# Allegro board ultrasound_tnr_1000a_01_20171121.brd (continued)
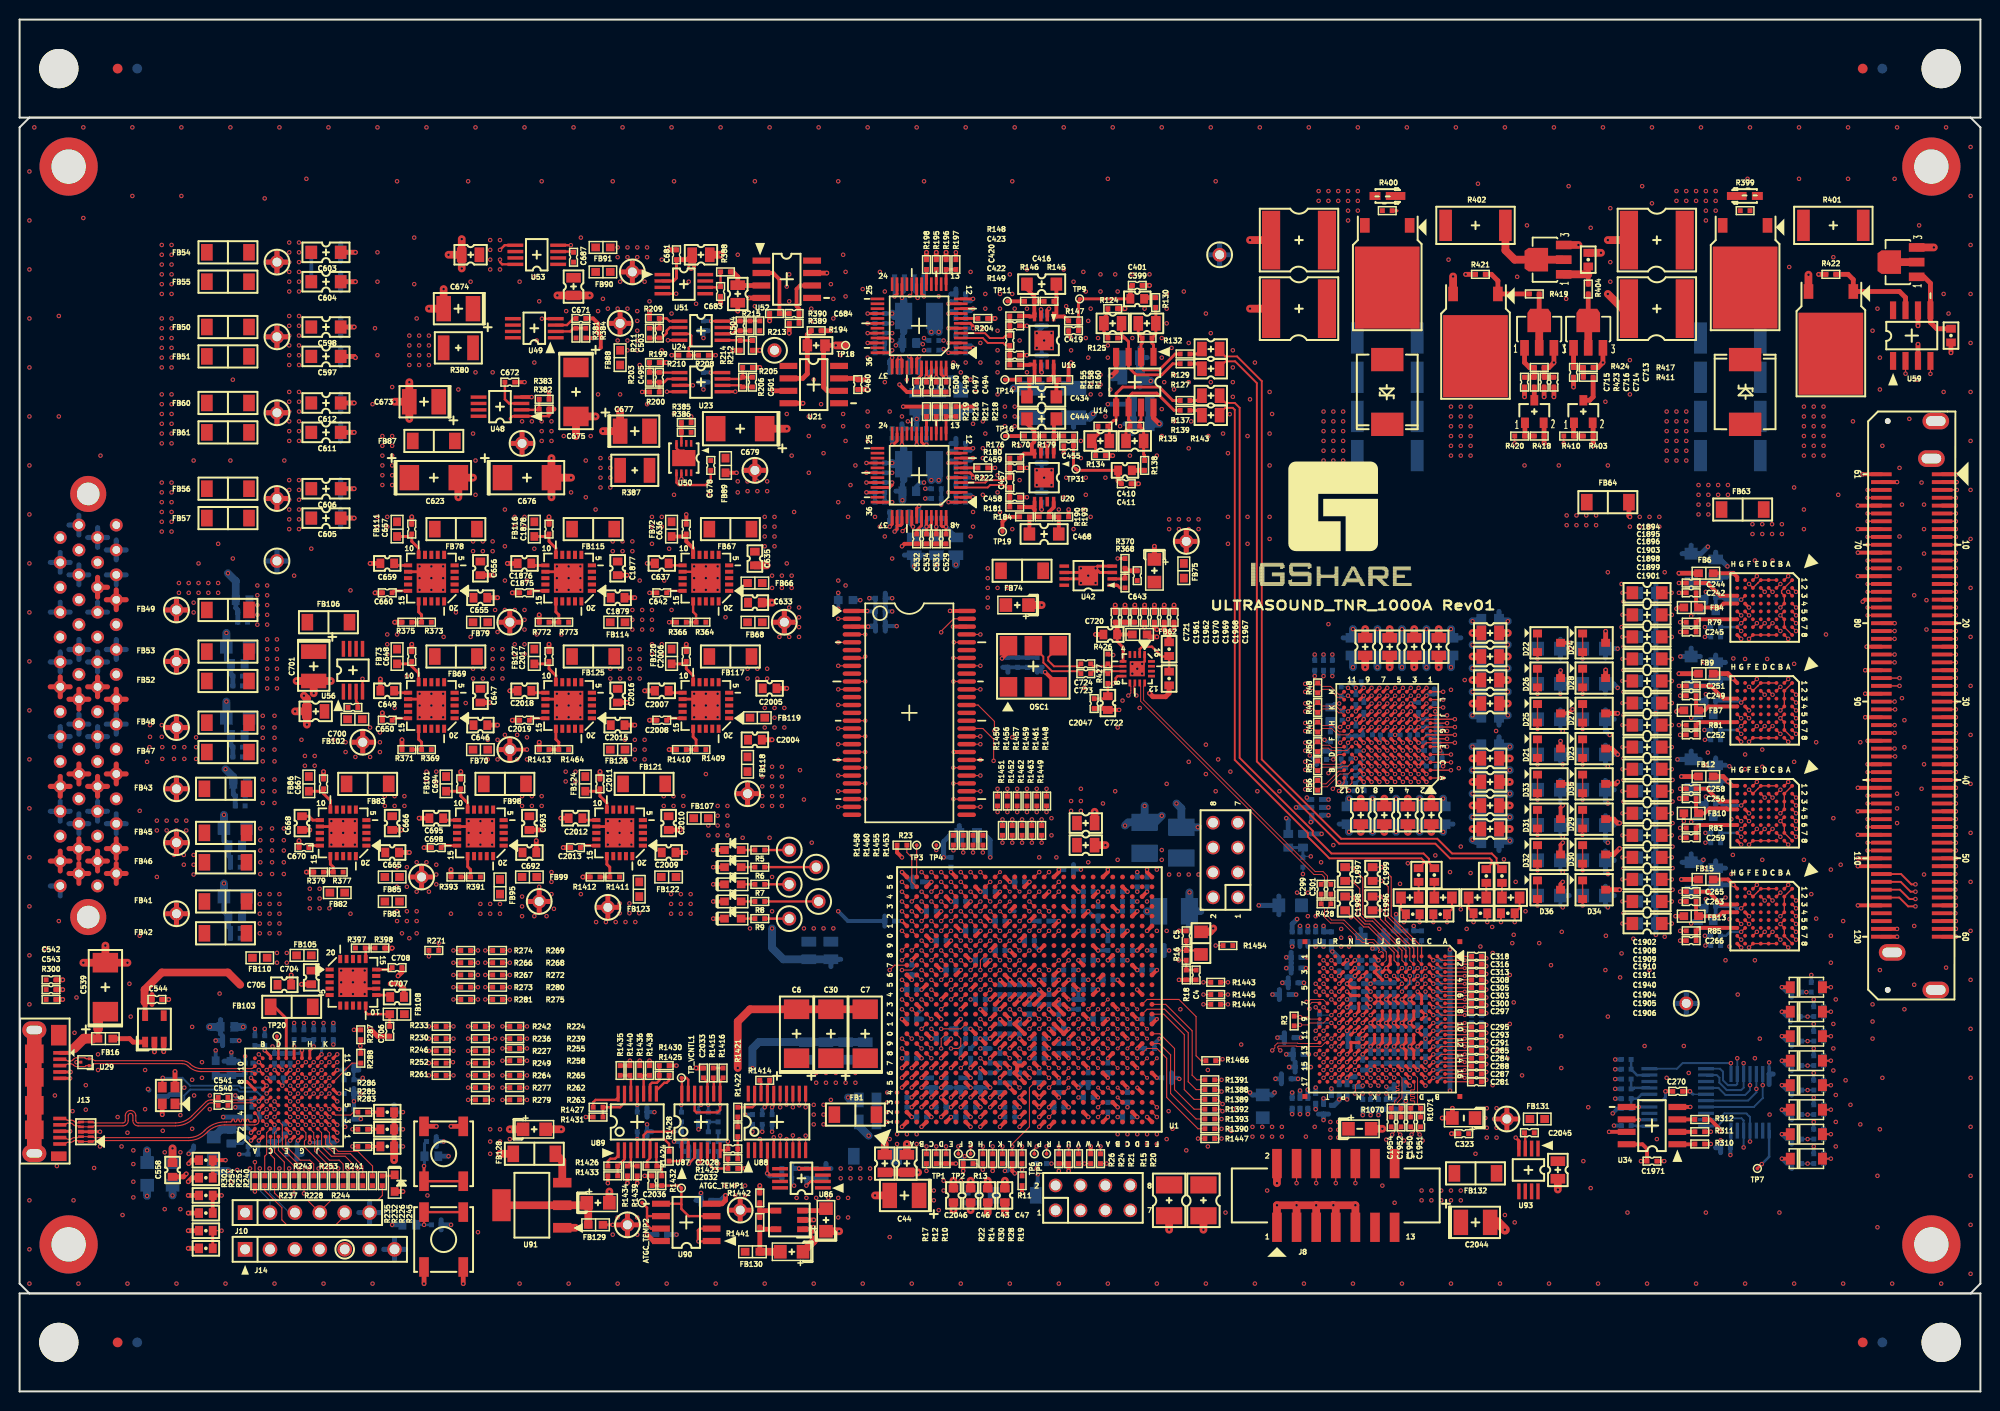
[diagram p0: board, top side]
## Routing (per net, layer and track width the routed paths; a pad name or vN(x,y) marks a point on that pad's centre or on a via; arc(x,y) is an arc through that point) (continued)
A12VN: length 12.4
  TOP w0.5: Q6.3 v1(161.5,105) 161,104.5 R417.1 ; C714.2 C716.2 R424.1 156,104.5 v1(156.5,105) Q10.3
  SIG1 w0.5: v1(156.5,105) v1(161.5,105)
A12VP: length 33.1
  TOP w0.5: v1(193.63,108.75) U59.6
  SIG1 w0.5: v1(174.25,91.5) 182.75,91.5 188.5,97.25 188.5,105.75 191.5,108.75 v1(193.63,108.75)
  vias: v1(24.8,62.45) v1(24.8,61.25) v1(24.8,60.05) v1(26,62.45) v1(26,61.25) v1(26,60.05) v1(37,97.5) v1(37,96.5) v1(37,95.5) v1(37,94.5) v1(37,93.5) v1(37,92.5) v1(38,97.5) v1(38,96.5) v1(38,95.5) v1(38,94.5) v1(38,93.5) v1(38,92.5) v1(171.25,92.5) v1(171.25,91.5) v1(171.25,90.5) v1(171.25,89.5) v1(172.25,92.5) v1(172.25,91.5) v1(172.25,90.5) v1(172.25,89.5) v1(173.25,92.5) v1(173.25,91.5) v1(174.25,92.5)
A12VP_HVMUX: length 4.1
  BOTTOM w0.4: v1(170.5,58.12) 171,58.62 FB11.2 171.5,58.62 ; FB5.2 171,79.62 v1(170.5,79.12) ; v1(170.5,47.75) 170.75,48 FB14.2 ; v1(170.5,68.75) 171,68.75 FB8.2
  vias: v1(176.75,88.5) v1(176.75,87.5) v1(177.75,88.5) v1(177.75,87.5) v1(178.75,88.5) v1(178.75,87.5) v1(179.75,88.5) v1(179.75,87.5)
A12VP_IN: length 40.9
  TOP w0.527: J12.20 10.87,63.02 ; J12.20 8.85,63.02 ; J12.20 9.86,64.03 ; J12.20 9.86,62 ; J12.17 5.15,61.74 ; J12.17 4.14,60.73 ; J12.17 3.13,61.74 ; J12.17 4.14,62.76 ; J12.18 7.95,62.76 ; J12.18 6.94,61.74 ; J12.18 7.95,60.73 ; J12.18 8.96,61.74 ; 14.94,61.5 TH5.1 ; TH5.1 17.06,61.5 ; TH5.1 16,60.44 ; TH5.1 16,62.56 ; J12.19 7.06,63.02 ; J12.19 6.05,62 ; J12.19 6.05,64.03 ; J12.19 5.04,63.02
  SIG1 w0.527: J12.20 9.86,64.03 ; J12.20 9.86,62 ; J12.20 8.85,63.02 ; J12.20 10.87,63.02 ; 6.94,61.74 J12.18 ; J12.18 7.95,60.73 ; J12.18 8.96,61.74 ; J12.18 7.95,62.76 ; J12.17 4.14,62.76 ; J12.17 5.15,61.74 ; J12.17 3.13,61.74 ; J12.17 4.14,60.73 ; 6.05,62 J12.19 ; J12.19 5.04,63.02 ; J12.19 6.05,64.03 ; J12.19 7.06,63.02 ; 14.94,61.5 TH5.1 ; TH5.1 16,60.44 ; TH5.1 16,62.56 ; TH5.1 17.06,61.5
D1V2P_AFE: length 36.5
  TOP w0.3: U11.N14 v1(135.4,33.6) ; U11.P2 v1(135.4,44) ; U11.M4 v1(137,42.4) U11.L3 ; U11.M12 U11.N12 U11.N13 v1(135.4,34.4) ; U11.M6 U11.N6 v1(135.4,40.8) ; U11.M14 v1(136.2,33.6) ; U11.N4 v1(135.4,41.6) U11.N5 U11.M5 ; U11.N15 v1(135.4,32.8) ; U11.P15 v1(134.6,32.8) ; U11.M13 v1(136.2,34.4) ; U11.P16 v1(134.6,32) ; U11.N2 v1(136.2,44) ; U11.P3 v1(134.6,42.4) ; U11.N3 v1(136.2,43.2) ; U11.N16 v1(135.4,32)
  TOP w0.515: TH26.1 41,53.56 ; TH26.1 42.06,52.5 ; TH26.1 39.94,52.5 ; TH26.1 41,51.44
  VCC1 w0.53: TH26.1 42.06,52.5 ; TH26.1 39.94,52.5 ; TH26.1 41,53.56 ; TH26.1 41,51.44
  BOTTOM w0.5: C371.1 C376.1 v1(133,47.5) ; C368.1 v1(131.4,30.8) ; C370.1 v1(134.6,32) ; C365.1 v1(130.6,47.5) ; C383.1 v1(136.2,43.2) ; C366.1 v1(136.2,44) ; C381.1 v1(134.6,42.4) ; C385.1 v1(135.4,32) 135.5,32.1 C373.1 ; C382.1 v1(137,42.4) ; C364.1 v1(135.4,41.6) ; C384.1 v1(133,29.9) ; C379.1 v1(132.2,31) ; C367.1 v1(131.4,47.5) ; C369.1 v1(129.8,30.5) ; C377.1 129.8,47.7 v1(130.3,48.2) ; C380.1 v1(135.4,44) ; C372.1 v1(133.8,30.9) ; C378.1 v1(130.6,30.7) ; C375.1 v1(132.2,47.5)
  vias: v1(38.5,53.5) v1(38.5,51.5) v1(39.5,53.5) v1(39.5,51.5) v1(40.5,54) v1(40.5,51) v1(41.5,54) v1(41.75,51) v1(42.5,53.75) v1(42.5,52.75) v1(42.5,51.75) v1(130.3,50.9) v1(131.4,50.9) v1(131.4,48.5) v1(132.2,48.5)
D1V2P_FPGA_MGT:
  vias: v1(38.5,49) v1(38.5,48) v1(39.5,49) v1(39.5,48) v1(40.5,49) v1(40.5,48) v1(83.75,22.75) v1(83.75,21.75) v1(84.75,22.75) v1(84.75,21.75) v1(85.75,22.75) v1(85.75,21.75) v1(86.75,22.75) v1(86.75,21.75)
D1V2P_USB: length 19.2
  TOP w0.25: U26.B10 v1(24.4,33.6)
  TOP w0.3: v1(32.6,28.8) 32.4,28.8 U26.L5 ; U26.E9 v1(27.6,32.8) ; U26.L7 32.4,30.4 v1(32.6,30.4) ; U26.H1 v1(29.6,25.4) ; U26.F11 v1(28,35.2) ; U26.C3 v1(26,27.2) ; U26.J11 v1(30.8,34.4)
  BOTTOM w0.25: C563.2 24.3,33.5 v1(24.4,33.6)
  BOTTOM w0.3: v1(29.6,25.4) C551.2 ; v1(30.8,34.4) 30.8,35 31,35.2 C547.2 ; v1(27.6,32.8) C545.2 ; v1(26,27.2) C553.2 ; v1(32.6,30.4) C548.2 ; v1(32.6,28.8) C552.2 ; v1(28,35.2) C554.2
  BOTTOM w0.4: FB84.1 v1(20,34.8)
  BOTTOM w0.5: C549.2 v1(22.4,35.8) ; C550.2 33.1,27.1 v1(33.2,27) ; C546.2 v1(32,35.4)
  BOTTOM w0.8: v1(21.25,22.5) 20.25,22.5 19.8,22.95 FB17.2 ; FB18.2 v1(15.6,20) ; C564.2 v1(22.8,37.2)
  vias: v1(14.8,18.6) v1(16.4,18.6) v1(21.6,21.4) v1(22.2,22.6) v1(29.6,51.3) v1(29.6,50.3) v1(29.6,49.3) v1(30.6,51.3) v1(30.6,50.3) v1(30.6,49.3) v1(31.6,49.3)
D1V8P_AFE: length 18
  TOP w0.3: U11.P5 v1(134.6,40.8) ; U11.P7 v1(134.6,39.2) ; U11.P11 v1(134.6,36) ; U11.P4 v1(134.6,41.6) ; U11.P14 v1(134.6,33.6) ; U11.P12 v1(134.6,35.2) ; U11.P6 v1(134.6,40) ; U11.P13 v1(134.6,34.4)
  TOP w0.515: TH42.1 74.25,62.06 ; TH42.1 73.19,61 ; TH42.1 74.25,59.94 ; TH42.1 75.31,61
  VCC2 w0.53: 74.25,59.94 TH42.1 ; TH42.1 75.31,61 ; TH42.1 73.19,61 ; TH42.1 74.25,62.06
  BOTTOM w0.5: C386.1 v1(131.3,44.3) ; C389.1 v1(130.2,40.5) ; C390.1 v1(130.4,31.9) ; C387.1 v1(131.2,43.2) ; C388.1 v1(131,41.7) ; C391.1 v1(131.5,34.4) ; C392.1 v1(130.7,36.1) ; C393.1 v1(131.7,33.1)
  vias: v1(75.75,63.75) v1(75.75,62.75) v1(75.75,61.75) v1(75.75,60.75) v1(75.75,59.75) v1(76.75,63.75) v1(76.75,62.75) v1(76.75,61.75) v1(76.75,60.75) v1(76.75,59.75) v1(77.75,63.75) v1(77.75,62.75) v1(77.75,61.75) v1(77.75,60.75) v1(77.75,59.75) v1(125.75,27) v1(125.75,26) v1(126.75,27) v1(126.75,26) v1(127.75,27) v1(127.75,26) v1(128.75,27) v1(128.75,26) v1(132.1,27)
D1V8P_FPGA: length 23.2
  TOP w0.4: U1.W7 v2(109,33) ; U1.Y4 v2(110,30) ; U1.AD12 v2(114,38) ; U1.AA11 v2(111,38) ; U1.AD2 v1(114,28) ; U1.AF6 v2(116,32) ; U1.V10 v2(107,36) ; U1.U3 v1(107,29) ; U1.AC5 v2(113,31) ; U1.AB8 v2(111,34) ; U1.AE9 v2(114,35) ; U1.AA1 v1(111,28)
  TOP w0.515: TH43.1 61.06,49.4 ; TH43.1 60,50.46 ; TH43.1 58.94,49.4 ; TH43.1 60,48.34
  VCC2 w0.53: TH43.1 61.06,49.4 ; TH43.1 58.94,49.4 ; TH43.1 60,48.34 ; TH43.1 60,50.46
  BOTTOM w0.4: C56.1 v2(116,32) ; C59.1 v1(114,28) ; C52.1 v2(111,38) ; C57.1 v1(107,29) ; v2(109,33) C50.1 ; v2(114,35) C55.1 ; C53.1 v2(110,30) ; C54.1 v1(111,28) ; v2(114,38) C48.1 ; v2(111,34) C49.1 ; C51.1 v2(113,31) ; v2(107,36) C58.1
  vias: v1(58.8,47.9) v1(59.8,47.9) v1(60.8,47.9) v1(61.2,49.8) v1(61.2,48.8) v1(61.8,47.9) v1(62.2,49.8) v1(62.2,48.8) v1(62.8,47.9) v1(63.2,48.8) v1(112,26.25) v1(112,25.25) v1(113,26.25) v1(113,25.25) v1(114,26.25) v1(114,25.25) v1(115,26.25) v1(115,25.25) v1(116,26.25) v1(116,25.25) v1(117,25.75)
D1V8P_PLS: length 15.9
  TOP w0.3: U3.C10 v1(137.1,63.8) ; U3.K10 v1(136.3,69.4) ; U3.B10 v1(137.1,63) ; U3.M10 v1(137.1,71.8) ; U3.D10 v1(137.1,64.6) ; U3.J10 v1(136.3,68.6) ; U3.A10 v1(137.1,62.2) ; U3.L10 v1(137.1,71)
  BOTTOM w0.3: R61.2 137.05,65.35 v1(137.1,65.4) ; v1(137.1,63) 137.1,62.9 C237.1 ; C239.1 v1(136.3,68.6) ; C231.1 136.85,72.05 v1(137.1,71.8) ; v1(137.1,62.2) 137.15,62.15 C211.1 ; C212.1 137.1,64.5 v1(137.1,64.6) ; C213.1 v1(136.3,69.4) ; v1(137.1,63.8) 137.1,63.65 136.3,62.85 C210.1 ; C238.1 v1(137.1,71) ; v1(134.6,70.2) 134.1,70.2 R58.2
  BOTTOM w0.5: R53.2 v1(132.8,56.9)
  vias: v1(76,69.75) v1(76,67.75) v1(77,69.75) v1(77,68.75) v1(77,67.75) v1(78,69.75) v1(78,68.75) v1(78,67.75)
D1V8P_VCCAUX: length 14.6
  TOP w0.4: U1.T8 v2(106,34) ; v1(100,38) U1.L11 ; U1.M10 v1(101,36) ; U1.P10 v1(103,36) ; U1.P8 v1(103,34) ; U1.R9 v1(105,35) ; U1.U11 v2(106,38) ; U1.T10 v1(105,37)
  TOP w0.8: C46.1 v1(97,21.5) ; C2046.1 v1(95.25,21.5) ; C43.1 v1(98.75,21.5) ; C47.1 v1(100.5,21.5)
  BOTTOM w0.4: C39.1 v1(100,38) ; C38.1 v1(103,36) ; v1(105,37) C42.1 ; R31.2 96.4,20.25 96,20.65 v1(96,21.5) ; v2(106,38) C35.1 ; v1(103,34) C37.1 ; C36.1 v2(106,34) ; v1(105,35) C41.1 ; v1(101,36) C40.1
  vias: v1(66.45,50.75) v1(66.45,49.75) v1(66.45,48.75) v1(67.45,50.75) v1(67.45,49.75) v1(67.45,48.75) v1(68.45,50.75) v1(68.45,49.75) v1(68.45,48.75) v1(93.25,20.5) v1(93.25,19.5) v1(93.75,18.5) v1(94.25,21.5) v1(94.25,20.5)
D1VP_FPGA_MGT:
  vias: v1(47,49.75) v1(47,48.75) v1(48,49.75) v1(48,48.75) v1(49,49.75) v1(49,48.75) v1(81,29.25) v1(81,28.25) v1(81,27.25) v1(82,29.25) v1(82,28.25) v1(82,27.25) v1(82.75,29.75)
D1VP_VCCINT: length 33.8
  TOP w0.4: U1.K8 v1(99,34) ; U1.P14 v1(103,40) U1.N13 ; U1.M14 v1(101,40) ; U1.T14 v1(106,41) ; U1.L13 v1(100,39) ; v1(104,39) U1.R13 ; U1.K14 v1(99,40) ; U1.N15 v1(102,42) ; U1.K12 v1(99,38) ; U1.T12 v1(105,39) ; U1.K10 v1(99,36) ; v1(102,34) U1.M8 ; v1(104,42) U1.R15 ; U1.J9 v1(98,36) ; v1(107,42) U1.U15 ; U1.L15 v1(100,42) ; U1.L9 v1(100,35) ; U1.U13 v2(107,39) ; U1.N9 v1(102,36)
  TOP w0.515: TH39.1 54.06,50 ; TH39.1 51.94,50 ; TH39.1 53,51.06 ; TH39.1 53,48.94
  VCC2 w0.53: TH39.1 53,51.06 ; TH39.1 53,48.94 ; TH39.1 54.06,50 ; TH39.1 51.94,50
  BOTTOM w0.4: v1(101,40) C18.1 ; v1(100,39) C15.1 ; C27.1 v1(102,34) ; v1(105,39) C28.1 ; v2(107,39) C32.1 ; C11.1 v1(100,35) ; C8.1 v1(99,36) ; C21.1 v1(102,36) ; C26.1 v1(104,42) ; v1(99,40) C17.1 ; C20.1 v1(106,41) ; C13.1 v1(103,40) C9.1 ; C12.1 97.5,35.5 C19.1 v1(98,36) ; v1(99,34) C14.1 ; C10.1 v1(107,42) ; v1(102,42) C33.1 ; v1(100,42) C16.1 ; C22.1 v1(104,39)
  vias: v1(51.25,50.5) v1(51.25,49.5) v1(51.25,48.5) v1(52.5,48.5) v1(53,51.5) v1(53.75,48.5) v1(54.25,53) v1(54.25,52) v1(54.25,50.75) v1(54.5,49.25) v1(81.25,32.5) v1(81.25,31.5) v1(82.25,32.5) v1(82.25,31.5) v1(83.25,32.5) v1(83.25,31.5) v1(84.25,32.5) v1(84.25,31.5) v1(85.25,32.5) v1(85.25,31.5)
D2V5P_CLK: length 10.7
  TOP w0.4: v1(100.2,74.8) 100.86,75.46 OSC1.6
  TOP w0.5: C1967.1 v1(117.75,77.75) ; C1969.1 115.75,78 v1(116,77.75) ; R1467.2 117.25,77.25 v1(116.75,77.75) C1968.1 ; C1970.1 v1(114.75,78) ; v1(116,77) 115.25,77 FB62.1
  BOTTOM w0.4: C1965.1 C1966.1 C1964.1 C1963.1 100.3,74.9 v1(100.2,74.8)
  vias: v1(61.75,66.5) v1(61.75,64.5) v1(62.75,66.5) v1(62.75,65.5) v1(62.75,64.5) v1(63.75,66.5) v1(63.75,65.5) v1(63.75,64.5)
D2V5P_FPGA: length 40.9
  TOP w0.4: v1(116,43) U1.AF16 ; v1(103,48) U1.P22 ; v1(107,49) U1.U23 ; U1.Y14 v1(110,41) ; U1.AB18 v1(111,44) ; v1(103,52) U1.N25 ; U1.V20 v1(108,47) ; U1.AA21 v1(111,47) ; U1.AF26 115,53 v1(115,53.25) ; U1.T16 v1(106,43) ; U1.T26 106,53 v1(106,53.25) ; v1(110,51) U1.Y24 ; U1.AE19 v1(114,45) ; v1(108,44) U1.W17 ; v1(114,49) U1.AD22 ; U1.R19 v1(104,45) ; TH18.1 v1(51.75,65.5) ; U1.K24 v2(100,51) ; v1(112,42) U1.AC15 ; v1(113,51) U1.AC25
  TOP w0.515: 50,64.44 TH18.1 ; TH18.1 48.94,65.5 ; TH18.1 50,66.56
  TOP w0.8: v1(121.75,47.25) 121.41,46.91 FB133.2
  VCC1 w0.53: TH18.1 50,66.56 ; TH18.1 48.94,65.5 ; TH18.1 51.06,65.5 ; TH18.1 50,64.44
  BOTTOM w0.4: C82.1 v1(103,48) ; v1(104,45) 103.5,45.5 C88.1 ; C103.1 v1(116,43) ; C94.1 v1(114,50) ; v1(114,45) C104.1 ; C93.1 v1(111,47) C90.1 ; C80.1 v1(113,51) ; C101.1 v1(115,45) ; C86.1 v1(108,44) ; v1(115,53.25) C84.1 ; v1(108,47) C89.1 ; C87.1 v1(110,51) ; C96.1 v1(106,53.25) ; v1(111,44) C99.1 ; C81.1 v1(103,52) ; C95.1 C85.1 v1(107,49) ; C100.1 v1(112,42) ; C98.1 v1(110,50) ; v1(110,41) C102.1 ; C97.1 v1(114,51) ; C91.1 v1(106,43) ; C79.1 v2(100,51) ; C83.1 v1(114,49)
  BOTTOM w0.8: C106.1 v1(115,49)
  vias: v1(47.75,66.5) v1(47.75,64.5) v1(48.75,66.5) v1(48.75,64.5) v1(49.5,67) v1(50.75,67) v1(50.75,64.5) v1(51.75,66.75) v1(51.75,64.5) v1(115,50) v1(116,53.25) v1(116,47) v1(116.5,55.25) v1(116.5,54.25) v1(117,47) v1(117.25,52.75) v1(118.25,52.75) v1(119.25,52.75) v1(120.25,52.75)
D2VP:
  vias: v1(24.55,57.45) v1(24.55,56.25) v1(24.55,55.2) v1(24.55,54) v1(24.55,52.8) v1(25.75,57.45) v1(25.75,56.25) v1(25.75,55.2) v1(25.75,54) v1(25.75,52.8) v1(26.95,57.45) v1(26.95,56.25) v1(26.95,55.2) v1(26.95,54) v1(26.95,52.8) v1(37.25,60.75) v1(37.25,59.75) v1(38.25,60.75) v1(38.25,59.75) v1(39.25,60.75) v1(39.25,59.75) v1(51.25,60.75) v1(51.25,59.75) v1(52.25,60.75) v1(52.25,59.75) v1(53.25,60.75) v1(53.25,59.75)
D2VP_IN: length 24.7
  TOP w0.515: 16,54.94 TH10.1 ; TH10.1 14.94,56 ; TH10.1 16,57.06 ; TH10.1 17.06,56
  BOTTOM w0.515: 14.94,56 TH10.1 ; TH10.1 16,57.06 ; TH10.1 16,54.94 ; TH10.1 17.06,56 ; 6.05,56.92 J12.11 ; J12.11 5.04,57.94 ; J12.11 7.06,57.94 ; J12.11 6.05,58.95 ; J12.14 8.96,59.2 ; J12.14 6.94,59.2 ; J12.14 7.95,60.22 ; J12.14 7.95,58.19 ; 3.13,59.2 J12.13 ; J12.13 4.14,60.22 ; J12.13 4.14,58.19 ; J12.13 5.15,59.2 ; J12.12 10.87,57.94 ; J12.12 8.85,57.94 ; J12.12 9.86,58.95 ; J12.12 9.86,56.92
  vias: v1(14,58.25) v1(14,57.25) v1(15,58.25) v1(15,57.25) v1(15.75,54.75) v1(16,58.25) v1(16,57.25) v1(16.75,54.75) v1(16.75,53.75) v1(17,58.25) v1(17,57.25) v1(17.75,54.75) v1(17.75,53.75) v1(17.75,52.75)
D3V3P: length 113.1
  TOP w0.4: v1(165.38,23.5) C1971.1 166,24.75 165.53,25.22 U34.8 ; C270.1 v1(167.88,30.62)
  TOP w0.5: Q9.2 155.5,98.81 R418.1 v1(155.5,96.75) ; Q5.2 160.5,98.81 R403.1 v1(160.5,96.5)
  SIG3 w0.8: v1(84.25,82.25) 95.45,82.25 99.2,86 109.2,86 114.4,91.2 149,91.2 150.6,92.8 150.6,97.2 151.67,98.27 156.07,98.27 ; 156.07,98.27 159.83,98.27 160.5,97.6 v1(160.5,96.5) ; 156.07,98.27 155.5,97.7 v1(155.5,96.75)
  BOTTOM w0.3: U8.5 167.55,29.68 167.88,30 v1(167.88,30.62) ; U9.14 174.55,25.46 174.5,25.41 C271.1
  BOTTOM w0.4: R93.1 v1(162.62,27.12) ; R97.2 v1(183,37.5) ; v1(83.5,81.5) FB109.1 v1(83.5,79.88) ; R111.2 v1(183,32.5) ; R89.2 v1(162.75,33.88) ; R113.2 v1(183,27.5) ; R98.2 v1(183,35) ; C271.1 v1(174.5,24.12) ; R88.2 v1(162.75,31.88) ; R96.2 v1(183,40) ; R114.2 v1(183,25) ; R87.2 v1(162.75,29.88) ; R95.2 v1(182.75,42.5) ; R112.2 v1(183,30)
  vias: v1(24.5,50.75) v1(24.5,49.75) v1(24.5,48.75) v1(24.5,47.75) v1(24.5,46.75) v1(25.5,50.75) v1(25.5,49.75) v1(25.5,48.75) v1(25.5,47.75) v1(25.5,46.75) v1(26.5,50.75) v1(26.5,49.75) v1(26.5,48.75) v1(26.5,47.75) v1(26.5,46.75) v1(46.25,73.75) v1(46.25,72.75) v1(47.25,73.75) v1(47.25,72.75) v1(48.25,75.75) v1(48.25,74.75) v1(48.25,73.75) v1(48.25,72.75) v1(49.25,75.75) v1(49.25,74.75) v1(49.25,73.75) v1(49.25,72.75) v1(60.25,73.75) v1(60.25,72.75) v1(61.25,73.75) v1(61.25,72.75) v1(62.25,75.75) v1(62.25,74.75) v1(62.25,73.75) v1(62.25,72.75) v1(63.25,75.75) v1(63.25,74.75) v1(63.25,73.75) v1(63.25,72.75) v1(65.7,60.75) v1(65.7,59.75) v1(66.7,60.75) v1(66.7,59.75) v1(67.7,60.75) v1(67.7,59.75) v1(74.25,73.75) v1(74.25,72.75) v1(75.25,73.75) v1(75.25,72.75) v1(76.25,73.75) v1(76.25,72.75) v1(83.5,82.75)
D3V3P_FPGA: length 62.7
  TOP w0.3: U1.A21 v1(90,48)
  TOP w0.4: v1(95.5,23.25) R10.2 R12.2 ; v1(97,50) U1.G23 ; U1.H10 v1(97,37) ; U1.T6 v2(106,32) ; v1(93,52) U1.C25 ; R11.2 v1(102.25,20.25) ; v1(98,47) U1.H20 ; R14.2 v1(99.25,22.5) ; U1.C15 v1(92,41) ; v1(90,38) U1.A11 ; v1(96.25,22.5) R13.2 ; U1.J17 v1(99,44) ; v1(95,36) U1.E9 ; U1.P7 v1(104,33) ; U1.F26 v1(95,53) ; R23.2 89.5,55 v1(90,54.5) ; R26.1 R24.1 v1(107,22.5) ; U1.F16 v1(96,43) ; U1.G13 v1(96,39) ; v1(101,45) U1.M18 ; R15.2 v1(109.25,25) ; U1.L7 v1(101,33) ; R28.1 101.25,22.5 v1(101.5,22.25) ; v1(92,34) U1.B8 ; v1(94,49) U1.D22 ; U1.B18 v1(91,44) ; v2(101,48) U1.L21 ; U1.E19 v1(95,46) ; U1.D12 v1(94,38)
  TOP w0.8: J8.2 v1(128.25,21.25)
  SIG1 w0.5: v1(107,22.5) 127,22.5 v1(128.25,21.25)
  BOTTOM w0.4: C70.1 v1(98,47) ; v1(97,37) C112.1 ; v1(96,43) C75.1 ; v1(91,44) C64.1 ; v1(95,46) C65.1 ; v1(93,52) C69.1 ; C111.1 v1(95,36) ; v1(92,41) C108.1 ; C67.1 v1(97,50) ; 101,32.4 C71.1 v1(101,33) ; v1(104,33) C74.1 ; C62.1 v2(101,48) ; C68.1 v1(95,53) ; C66.1 v1(94,49) ; v2(106,32) C72.1 ; C110.1 v1(90,38) ; C63.1 v1(101,45) ; C109.1 v1(90,48) ; C107.1 v1(92,34) ; v1(99,44) C73.1
  BOTTOM w0.5: v1(99,54.5) 99,56.25 98.5,56.75 C76.1
  vias: v1(70.25,57.75) v1(70.25,56.75) v1(71.2,59.75) v1(71.2,58.75) v1(71.2,57.75) v1(71.2,56.75) v1(72.2,59.75) v1(72.2,58.75) v1(72.2,57.75) v1(72.2,56.75) v1(80,47.25) v1(81,47.25) v1(82,47.25) v1(83,47.25) v1(107.25,60.25) v1(107.25,59.25) v1(108.25,60.25) v1(108.25,59.25)
D3V3P_IN: length 57
  TOP w0.515: 7.95,53.11 J12.6 ; J12.6 6.94,54.12 ; J12.6 7.95,55.14 ; J12.6 8.96,54.12 ; 16,47.69 TH9.1 ; TH9.1 16,49.81 ; TH9.1 14.94,48.75 ; TH9.1 17.06,48.75 ; J12.4 10.87,52.85 ; J12.4 9.86,53.87 ; J12.4 8.85,52.85 ; J12.4 9.86,51.84 ; 8.85,55.4 9.86,55.4 ; 9.86,55.4 9.86,56.41 ; 9.86,55.4 10.87,55.4 ; 9.86,55.4 9.86,54.38 ; 5.04,52.85 J12.3 ; J12.3 7.06,52.85 ; J12.3 6.05,51.84 ; J12.3 6.05,53.87 ; J12.5 4.14,55.14 ; J12.5 5.15,54.12 ; J12.5 3.13,54.12 ; J12.5 4.14,53.11 ; 6.05,54.38 6.05,55.4 ; 6.05,55.4 5.04,55.4 ; 6.05,55.4 6.05,56.41 ; 6.05,55.4 7.06,55.4
  SIG1 w0.53: J12.6 8.96,54.12 ; J12.6 7.95,53.11 ; J12.6 7.95,55.14 ; J12.6 6.94,54.12 ; 8.85,55.4 9.86,55.4 ; 9.86,55.4 10.87,55.4 ; 9.86,55.4 9.86,56.41 ; 9.86,55.4 9.86,54.38 ; J12.3 7.06,52.85 ; J12.3 5.04,52.85 ; J12.3 6.05,53.87 ; J12.3 6.05,51.84 ; 3.13,54.12 J12.5 ; J12.5 4.14,55.14 ; J12.5 5.15,54.12 ; J12.5 4.14,53.11 ; 5.04,55.4 6.05,55.4 ; 6.05,55.4 7.06,55.4 ; 6.05,55.4 6.05,54.38 ; 6.05,55.4 6.05,56.41 ; 8.85,52.85 J12.4 ; J12.4 9.86,53.87 ; J12.4 9.86,51.84 ; J12.4 10.87,52.85 ; 16,47.69 TH9.1 ; TH9.1 17.06,48.75 ; TH9.1 14.94,48.75 ; TH9.1 16,49.81
D3V3P_SDRAM: length 10.1
  TOP w0.4: v1(86.45,79.65) U31.1 ; U31.3 v1(86.55,78.05)
  BOTTOM w0.4: v1(86.45,79.65) 86.5,79.6 C719.2 ; C719.2 C717.2 v1(86.67,80.95) ; C719.2 C718.2 87.25,78.05 v1(86.55,78.05) ; FB109.2 v1(85.75,80.75)
  BOTTOM w0.515: 87.3,77.59 C718.2 86.8,78.1
D3V3P_USB: length 36.6
  TOP w0.3: U26.H11 29.6,34.8 v1(30,35.2) ; v1(25,34.8) 25.6,34.2 U26.C11 ; U26.E3 v1(27.6,27.2) ; U26.L9 v1(32.4,32.8) ; U26.F1 v1(27.6,25.6) ; U26.B1 v1(24.4,25.6)
  TOP w0.4: R287.1 v1(34.1,36.9)
  TOP w0.5: D20.1 v1(39.1,20.4) ; v1(17.25,23.25) 17.6,23.6 R294.2 ; R289.1 R282.1 R276.1 ; R293.2 v1(17.2,18.2) ; R295.2 v1(17.2,14.6)
  TOP w0.8: R276.1 v1(38.2,23.6)
  VCC1 w0.53: 21.9,14.5 J14.1 ; J14.1 24.1,14.5 ; J14.1 23,15.6 ; J14.1 23,13.4 ; J10.1 24.1,18.25 ; J10.1 21.9,18.25 ; J10.1 23,19.35 ; J10.1 23,17.15
  BOTTOM w0.3: v1(25,34.8) C572.2 C571.2 ; v1(27.6,27.2) 27.5,27.3 C573.2 ; v1(25.8,35.2) 26,35 R291.2 R292.2 ; v1(27.6,25.6) 27.3,25.3 C568.2 C567.2 ; v1(24.4,25.6) 24.4,25.1 C565.2 ; v1(32.4,32.8) C574.2 C575.2 ; C569.2 C570.2 v1(30,35.2)
  BOTTOM w0.4: C566.2 C565.2
  BOTTOM w0.5: R270.2 v1(43.75,24) ; R425.1 v1(38,17)
  BOTTOM w0.8: FB19.2 v1(13,19.95)
  vias: v1(11.6,21.4) v1(11.6,19.8) v1(26.25,44.75) v1(26.25,43.75) v1(27.25,44.75) v1(27.25,43.75)
GND: length 2253.6
  TOP w0.2: U29.3 v1(5.8,33.6)
  TOP w0.25: U88.3 75.62,25.62 v1(75.5,25.75) ; U51.4 v1(66.97,112.03) ; v1(68.25,23.25) 68.85,23.85 U87.3 ; U26.B7 v1(25.2,31.2) U26.B8 ; U53.4 v1(56.23,116.97) ; U56.4 v1(34.98,72.72) ; U26.A8 v1(23.6,32) ; U50.6 v1(67.5,93.12) ; v1(70,83) 69.35,83.65 U40.12 ; U60.1 114.75,74.5 v1(114.5,74.25) v1(114,73.75) ; U24.4 v1(66.12,107.28) ; U49.4 v1(53.27,109.47) ; U23.4 v1(66.03,102.03) ; U88.5 v1(76.92,25.93) ; U26.D8 v1(26.8,31.2) ; U26.B9 v1(24.4,32.8)
  TOP w0.3: U3.G9 v1(137.9,67.8) ; U11.M3 v1(136.2,42.4) ; J13.5 v1(5.15,31.95) ; U11.E15 v1(142.6,32.8) ; U11.P8 v1(134.6,38.4) ; U5.H8 v1(175.6,66.3) ; U11.G10 v1(140.2,37.6) U11.G9 U11.G8 ; U3.F10 v1(137.1,66.2) ; U84.12 60.55,57.65 v1(61.2,57) ; U42.6 108.67,83.58 v1(109,83.25) ; U79.12 55.35,83.65 v1(56,83) ; U3.C4 v1(141.9,63.8) ; U11.M9 v1(136.2,37.6) ; U3.E10 v1(136.3,66.2) ; U11.M7 U11.M8 v1(136.2,38.4) ; U3.M7 v1(139.5,71.8) ; U11.L9 v1(137,37.6) ; U4.H8 v1(175.6,76.8) ; U3.C5 v1(141.1,63.8) ; U11.K10 v1(137.8,37.6) U11.K9 ; U11.P10 v1(134.6,36.8) ; U25.9 v1(94.75,94.75) ; v1(34,41.75) 34.65,41.1 U58.12 ; U26.L6 v1(32.4,29.6) ; U25.22 v1(90,96.62) ; U3.K5 v1(141.1,70.2) ; U55.12 46.35,57.65 v1(47,57) ; v1(33,57) 32.35,57.65 U47.12 ; U11.K2 v1(138.6,43.2) U11.K3 U11.J4 ; U42.7 108.67,82.92 v1(109,83.25) ; U26.G1 v1(28.4,25.6) ; U26.K3 v1(31.6,27.2) ; U3.K6 v1(140.3,70.2) ; U22.41 91,105.38 v1(90.75,105.62) ; R370.1 v1(112,85) ; U11.H10 v1(139.4,37.6) U11.H9 U11.H8 ; U22.9 v1(94.75,110) ; U7.G4 v1(176.4,48.5) ; U3.G10 v1(137.1,67.8) ; U11.D15 v1(143.4,32.8) ; U25.6 v1(94.75,93.25) ; U45.12 41.35,83.65 v1(42,83) ; 89.5,88.38 89.88,88.38 90,88.5 U25.39 ; 89.5,88.38 U25.38 ; 89.5,88.38 89.5,88 v1(89.25,87.75) ; v1(56,70) 55.35,70.65 U78.12 ; U26.K4 v1(31.6,28) ; U11.F15 v1(141.8,32.8) ; U3.K2 v1(143.5,70.2) ; U11.H3 v1(139.4,43.2) ; v1(139.4,43.2) U11.H2 U11.H1 ; v1(139.4,43.2) U11.J3 ; U3.L7 v1(139.5,71) ; U11.M10 v1(136.2,36.8) U11.N11 ; U25.3 v1(94.75,91.75) ; U22.1 v1(94.75,106) ; U11.P9 v1(134.6,37.6) ; U11.D16 v1(143.4,32) ; U22.36 88.75,106 v1(89,106.25) ; U22.22 v1(90,111.6) ; U22.11 v1(94.75,111) ; v1(152.6,25.9) 152.93,25.57 U93.4 ; U11.D17 v1(143.4,31.2) ; U22.38 89.5,105.25 v1(89.75,105.5) 90,105.25 U22.39 ; U7.H8 v1(175.6,45.3) ; U26.A1 v1(23.6,25.6) ; U26.G11 v1(28.8,34.8) ; U11.K8 v1(137.8,38.4) ; U3.M2 v1(143.5,71.8) ; U11.J10 v1(138.6,37.6) U11.J9 U11.J8 ; U11.N9 v1(135.4,37.6) ; v1(8.2,26.5) U27.3 U27.8 ; U3.K3 v1(141.9,70.2) U3.K4 ; U22.19 91.5,111.7 v1(91.6,111.6) ; U43.12 41.35,70.65 v1(42,70) ; U25.33 88.75,92.25 89,92.5 v1(89,92.75) ; U25.41 91,88.38 v1(91.12,88.25) ; U26.E2 v1(27.6,26.4) ; U6.G4 v1(176.4,59) ; U26.L11 v1(32.4,34.4) ; U3.B7 v1(139.5,63) ; v1(109.75,84) v1(109,83.25) ; v1(109.75,84) 109.97,84.22 U42.4 ; v1(109.75,84) 110.17,83.58 U42.3 ; U11.N10 v1(135.4,36.8) ; U26.L1 v1(32.4,25.6) ; U11.F10 v1(141,37.6) U11.F9 U11.F8 ; U25.36 v1(89,90.75) ; U22.6 v1(94.75,108.5) ; U4.G4 v1(176.4,80) ; U3.K7 v1(139.5,70.2) ; U3.F9 v1(137.9,66.2) ; U25.19 v1(91.5,96.62) ; U11.N8 v1(135.4,38.4) ; U22.3 v1(94.75,107) ; U11.M11 v1(137,36.8) U11.L10 ; U11.F17 v1(141.8,31.2) ; U3.C7 v1(139.5,63.8) ; U6.H8 v1(175.6,55.8) ; J13.4 v1(5.2,32.6) ; U3.L2 v1(143.5,71) ; U11.N7 v1(135.4,39.2) ; U3.A7 v1(139.5,62.2) ; U3.A2 v1(143.5,62.2) ; U11.E8 U11.E9 v1(141.8,37.6) U11.E10 ; U25.1 v1(94.75,90.75) ; U11.G15 v1(141,32.8) ; U11.F16 v1(141.8,32) ; U26.L2 v1(32.4,26.4) ; U3.C3 v1(142.7,63.8) U3.C2 ; U3.H10 v1(137.1,68.6) ; U11.K1 v1(138.6,44) ; U5.G4 v1(176.4,69.5) ; v1(70,70) 69.35,70.65 U83.12 ; U22.33 88.75,107.5 v1(89,107.25) ; U26.L3 v1(32.4,27.2) ; U3.C6 v1(140.3,63.8) ; J13.8 v1(5.15,26.55) ; U3.B2 v1(143.5,63) ; U11.L8 v1(137,38.4) ; U25.11 v1(94.75,95.75)
  TOP w0.4: R1438.1 v1(64.25,33.75) ; C636.2 v1(68,89.5) ; U1.H15 v1(97,41) ; U1.AE24 v1(115,51) ; U1.R4 v1(104,30) U1.P4 ; U1.C10 v1(93,36) ; U1.R1 v1(104,27) ; v1(157.4,52) 157.18,51.77 D36.3 ; C258.2 v1(169.38,61.5) ; U1.J4 v1(98,30) U1.J3 ; U1.P3 v1(104,29) U1.R3 ; U1.G18 v1(97,44) ; J17.95 v1(188.5,66.4) ; J17.2 v1(197.57,92.8) ; U1.A16 v1(91,42) ; U1.M4 v1(101,31) U1.L5 ; J17.61 v1(188,93.6) ; U1.V25 v1(108,51) ; U1.F11 v1(96,38) ; U1.R2 v1(104,28) ; U1.F3 v1(95,29) ; D26.3 v1(157.18,73.58) ; J17.47 v1(197.5,56.8) ; U1.M23 v2(101,49) ; U1.B13 v1(92,39) ; R1434.1 v1(62,21.25) ; U1.J5 v1(99,31) ; U1.T11 U1.U10 v2(107,37) ; U1.G5 v1(97,31) ; C419.2 107,107.75 v1(107.25,107.5) ; U1.F21 v1(96,47) ; v2(106,40) U1.T13 U1.U12 ; U1.E14 v1(94,40) ; U1.B6 v1(91,32) ; U1.Y19 v1(110,45) ; U1.B4 v1(91,30) ; U1.A7 v1(90,33) ; D10.1 v1(179.75,31.25) ; J17.23 v1(197.5,76) ; R383.1 v1(54,102) ; U1.K9 v1(100,36) U1.L10 ; J17.74 v1(187.5,83.2) ; U1.V15 v1(108,41) ; C1971.2 v1(167.75,23.5) ; J17.71 v1(187.5,85.6) ; J17.20 v1(197.5,78.4) ; J17.111 v1(187.5,53.6) ; C642.2 v1(64.25,81.5) ; C637.2 v1(64,84.5) ; U1.C4 v1(92,30) ; U31.52 v1(95.2,78.05) ; R312.1 172.46,27.75 173.38,26.83 v1(173.38,26.5) ; v1(118.25,42) R18.1 C4.2 ; v1(104,41) U1.R14 U1.P13 ; v1(111,53.25) 111,53 U1.AA26 ; J17.8 v1(197.5,88) ; U1.H7 v1(97,33) ; D21.3 v1(157.18,66.38) ; U1.K7 v1(100,33) ; R1435.1 R1440.1 v1(62.25,33.75) ; C244.2 v1(169.25,82.5) ; J17.89 v1(188.25,71.2) ; R311.1 v1(172.5,26.5) ; U1.N5 v1(102,32) U1.M6 101.75,32.75 101.75,33.25 ; U1.AB3 v1(112,29) ; U1.W2 v1(109,28) ; U1.T1 v1(105,27) ; C455.2 v1(106.5,95.75) ; C251.2 v1(169.25,72) ; R193.1 v1(107,90) ; C245.2 v1(169.38,77.5) ; U86.4 79.53,22.73 v1(79.5,22.75) ; U1.E3 v1(94,30) U1.E4 ; C458.2 v1(102.75,91.25) ; U1.N20 v1(102,46) ; U1.AE4 v2(114,31) ; D13.1 v1(179.75,23.75) ; U1.N1 v1(102,27) ; U1.AD17 v1(114,43) ; D33.3 v1(158.2,62) ; R160.1 107,104.75 v1(107.25,105) ; R197.1 v1(95.5,116.25) ; J17.92 v1(188.25,68.8) ; U1.B7 v1(91,33) ; U1.P15 v1(103,42) ; U1.G4 v1(96,30) ; D1.2 v1(70.75,55.25) ; U1.A5 v1(90,31) ; J17.119 v1(191.5,47.2) ; U1.AF21 v1(115,47) ; v1(158.4,69.6) 158,69.2 D25.3 ; C722.2 v1(112.15,69.55) ; J17.62 v1(191.5,92.8) ; D11.1 v1(179.75,28.75) ; U34.4 v1(170.41,29.03) ; J17.65 v1(187.5,90.4) ; OSC1.3 105.94,72.06 v1(104.6,73.4) ; R310.1 v1(172.5,25.25) ; U1.C5 v1(92,31) ; U1.K19 v1(99,45) ; J17.107 v1(187.5,56.8) ; C270.2 v1(170.38,30.62) ; U1.T15 v1(106,42) ; U1.N7 102.25,33.25 101.75,33.25 ; U1.T3 v1(105,29) ; U1.A1 v1(90,27) ; J17.1 v1(197.6,93.6) ; v1(188,80.6) 188.2,80.8 J17.77 ; J17.26 v1(197.5,73.6) ; U1.E5 v1(94,31) ; J17.11 v1(197.5,85.6) ; U1.C1 v1(92,27) ; U1.U8 v2(107,34) ; U1.N11 v1(103,38) ; C2032.2 v1(74,22.75) ; R385.2 v1(68.5,99.5) ; U1.K4 v1(99,30) ; U1.H4 v1(97,30) ; C529.2 C531.2 C534.2 C532.2 90.25,86.5 v1(90,86.25) ; U1.E7 v1(94,33) ; U1.AF11 v2(116,38) ; J17.83 v1(188.4,76) ; J17.86 v1(188.25,73.6) ; C263.2 v1(169.38,50) ; v1(157.4,59.8) 157.18,59.58 D31.3 ; U1.AD7 v2(114,33) ; U1.D7 v1(93,33) ; U1.B23 v1(92,49) ; U1.M15 v1(101,42) U1.L16 ; U1.B5 v1(91,31) ; D5.2 v1(70.75,48.25) ; U1.N3 v1(102,30) U1.N4 ; R218.1 v1(97.5,100.5) ; U1.L4 v1(100,30) ; U1.W12 v2(109,38) ; U1.L26 v2(101,52) ; D32.3 157.18,55.77 v1(157.4,56) ; U34.7 v1(162.12,26.49) ; 101.75,33.25 U1.M7 ; U1.M13 v1(102,40) U1.N14 ; U1.J12 v1(98,39) ; U1.G8 v1(96,34) ; U1.P17 v1(103,43) ; U1.T4 v1(106,30) ; J17.98 v1(188.5,64) ; J17.41 v1(197.5,61.6) ; U1.K11 v1(99,37) ; U1.G1 v1(97,27) ; J17.80 v1(191.25,78.4) ; U1.M9 v1(101,35) ; U1.Y9 v2(110,36) ; D22.3 v1(158.2,76.4) ; D12.1 v1(179.75,26.25) ; D9.1 v1(179.75,33.75) ; R210.2 v1(66.5,105.75) ; R1433.1 v1(60,21.25) ; D3.2 v1(70.75,51.75) ; J17.120 v1(191.5,46.4) ; D2.2 v1(70.75,53.5) ; U1.A6 v1(90,32) ; D7.1 v1(179.75,38.75) ; J17.51 v1(197.5,53.6) ; U1.G3 v1(96,29) ; J17.29 v1(197.5,71.2) ; v1(102,38) U1.M11 U1.N10 ; C259.2 v1(169.38,56.5) ; v1(89.75,102.75) 90.5,102 C500.2 C499.2 C497.2 C494.2 ; U1.K3 v1(99,29) ; U1.AB13 v2(112,39) ; U1.AA6 v2(111,32) ; J17.44 v1(197.5,59.2) ; R384.1 v1(58.5,107.5) ; J17.56 v1(197.5,49.6) ; J17.60 v1(197.5,46.4) ; U1.T9 v2(106,36) ; U1.E1 v1(95,28) ; D4.2 v1(70.75,50) ; U1.E8 v1(94,34) ; C265.2 v1(169.38,51) ; C459.2 v1(102.75,94.25) ; C422.2 v1(102.75,105.75) ; R302.2 v1(24,20.4) ; U1.J22 v1(99,48) ; U1.L14 v1(100,40) U1.K13 ; U1.F4 v1(95,30) ; U1.J2 v1(98,28) ; U1.L1 v1(100,27) ; C242.2 v1(169.25,81.5) ; J17.35 v1(197.5,66.4) ; R1431.1 v1(57.75,28) ; J17.14 v1(197.5,83.2) ; J17.58 v1(197.5,48) ; U1.U18 v1(107,45) ; R1436.1 v1(63.25,33.75) ; D6.1 v1(179.75,41.25) ; U1.D4 v1(93,30) ; U1.L3 v1(100,29) ; R222.1 v1(99.5,94.25) ; U1.N2 v1(102,28) ; U1.C7 v1(92,33) ; U1.R5 v1(104,31) ; J17.38 v1(197.5,64) ; v1(187.5,49.6) J17.116 ; U1.H25 v1(98,51) ; C2036.2 v1(63.75,22) ; U1.C20 v1(93,46) ; C266.2 v1(169.38,46) ; U1.P9 v1(103,35) ; J17.59 v1(197.5,47.2) ; U1.T21 v1(106,48) ; J17.5 v1(197.5,90.4) ; J17.68 v1(187.5,88) ; U1.J1 v1(98,27) ; U1.R24 v1(105,51) ; C423.2 v1(102.75,108.75) ; R1430.1 v1(67,33.25) ; U48.4 v1(52.23,101.47) ; v1(187.5,54.4) J17.110 ; U1.R10 v1(105,36) ; U1.L12 v1(101,38) ; R200.2 v1(63.5,102) ; U1.A26 v1(90,53) ; U1.E24 v1(95,50) ; U1.AE14 v1(114,41) ; J17.101 v1(187.5,61.6) ; U1.AC10 v2(113,36) ; U1.AC20 v1(113,47) ; U1.AF1 v1(115,28) ; U1.W22 v1(109,49) ; U1.AA16 v1(110,42) ; U1.V5 v1(108,31) ; U1.A2 v1(91,28) ; C249.2 v1(169.38,71) ; U1.F7 v1(95,33) ; J17.104 v1(187.5,59.2) ; U1.AB23 v1(112,49) ; R1439.1 v1(63,21.25) ; R366.1 v1(66.25,78.5) ; C5.2 v1(118.25,47) ; U1.R8 v1(105,34) ; J17.17 v1(197.5,80.8) ; U1.D17 v1(94,43) ; U1.C3 v1(92,29) ; U31.54 v1(94.9,79.65) ; U1.E2 v1(94,28) ; D8.1 v1(179.75,36.25) ; J17.50 v1(197.5,54.4) ; C252.2 v1(169.38,67) ; U31.36 v1(95.29,65.25) ; J17.32 v1(197.5,68.8) ; U1.U14 v2(107,40)